# KiCad board Leopold Replacement.kicad_pcb (continued)
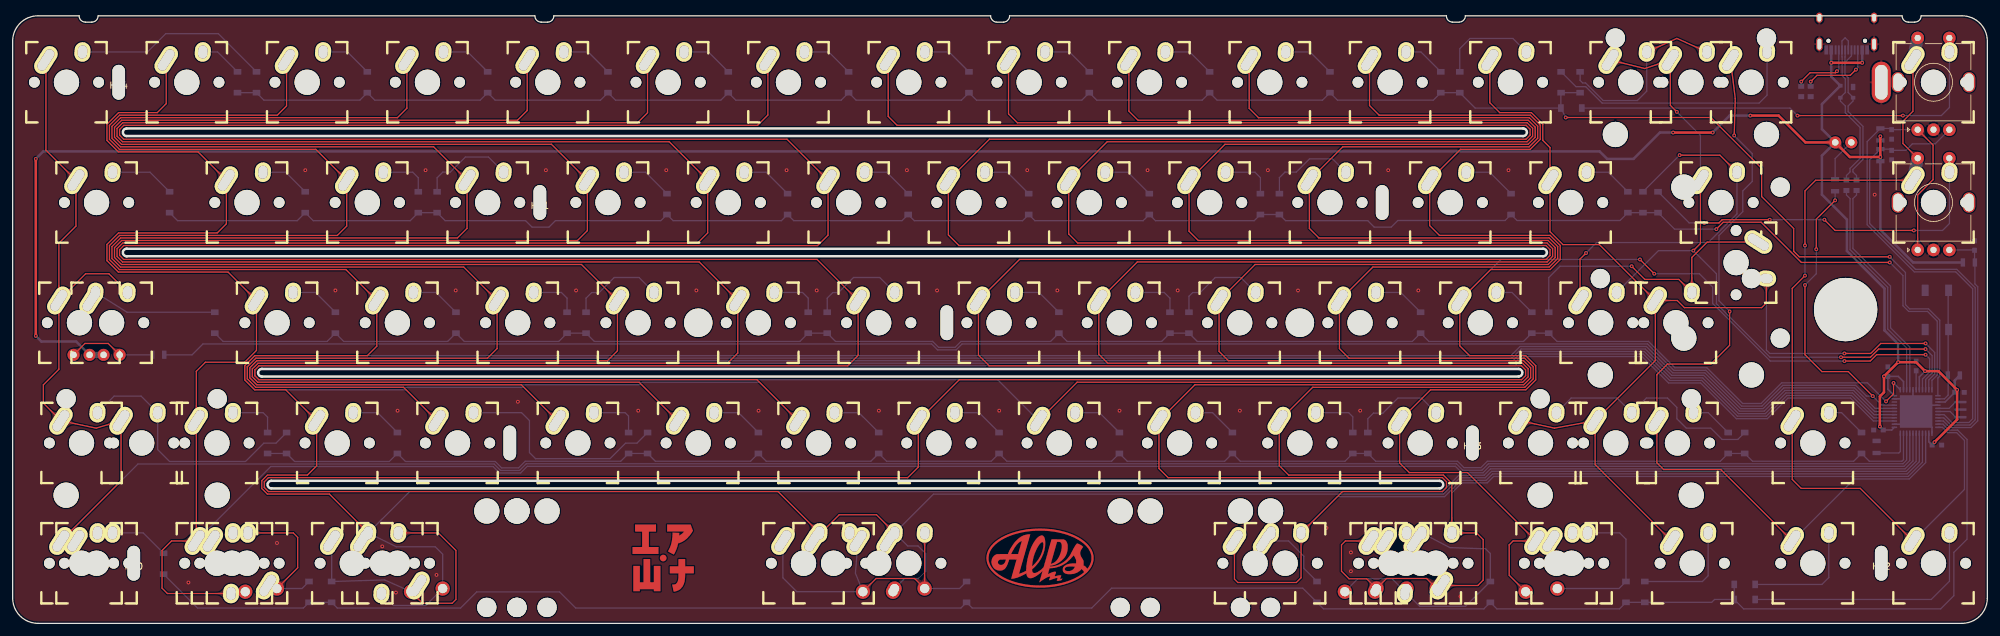
[diagram p0: board, top side]
## Copper pours and planes (outline as drawn; the poured copper is in the pictures) (continued)
Net-(D4-Pad2) on Bottom: 23.01,30.82 23.01,30.92 23.01,31.02 23.02,31.11 23.04,31.2 23.05,31.28 23.07,31.36 23.09,31.43 23.12,31.49 23.15,31.55 23.18,31.61 23.21,31.67 23.24,31.72 23.28,31.77 23.32,31.82 23.67,32.21 23.71,32.27 23.76,32.33 23.81,32.39 23.85,32.45 23.9,32.52 23.94,32.6 23.99,32.68 24.03,32.76 22.91,33.93 21.78,32.76 21.82,32.68 21.87,32.6 21.91,32.52 21.96,32.45 22.01,32.39 22.05,32.33 22.1,32.27 22.14,32.21 22.49,31.82 22.53,31.77 22.57,31.72 22.6,31.67 22.64,31.61 22.67,31.55 22.69,31.49 22.72,31.43 22.74,31.36 22.76,31.28 22.78,31.2 22.79,31.11 22.8,31.02 22.8,30.92 22.81,30.82
Net-(D4-Pad2) on Bottom: 21.07,35 21.15,34.92 21.21,34.84 21.27,34.77 21.33,34.7 21.37,34.63 21.41,34.57 21.44,34.5 21.47,34.44 21.5,34.37 21.52,34.31 21.53,34.25 21.55,34.19 21.56,34.12 21.57,34.06 21.59,33.54 21.6,33.47 21.61,33.39 21.62,33.32 21.63,33.24 21.65,33.16 21.67,33.07 21.7,32.99 21.73,32.9 23.35,32.86 23.32,34.49 23.23,34.52 23.14,34.54 23.05,34.56 22.97,34.58 22.89,34.59 22.82,34.6 22.74,34.61 22.67,34.62 22.15,34.65 22.09,34.65 22.02,34.66 21.96,34.68 21.9,34.69 21.84,34.71 21.77,34.74 21.71,34.77 21.64,34.8 21.58,34.84 21.51,34.89 21.44,34.94 21.37,35 21.29,35.06 21.22,35.14
Net-(D4-Pad2) on Bottom: 15.09,35.14 15.01,35.06 14.94,35 14.87,34.94 14.8,34.89 14.73,34.84 14.66,34.8 14.6,34.77 14.53,34.74 14.47,34.71 14.41,34.69 14.34,34.68 14.28,34.66 14.22,34.65 14.16,34.65 13.64,34.62 13.56,34.61 13.49,34.6 13.41,34.59 13.34,34.58 13.25,34.56 13.17,34.54 13.08,34.52 12.99,34.49 12.96,32.86 14.58,32.9 14.61,32.99 14.64,33.07 14.66,33.16 14.67,33.24 14.69,33.32 14.7,33.39 14.71,33.47 14.71,33.54 14.74,34.06 14.75,34.12 14.76,34.19 14.77,34.25 14.79,34.31 14.81,34.37 14.83,34.44 14.86,34.5 14.9,34.57 14.94,34.63 14.98,34.7 15.03,34.77 15.09,34.84 15.16,34.92 15.23,35
Net-(D5-Pad2) on Bottom: 32.56,90.3 32.49,90.36 32.43,90.42 32.37,90.47 32.31,90.51 32.25,90.55 32.19,90.59 32.13,90.62 32.08,90.65 32.02,90.68 31.97,90.7 31.41,90.88 31.36,90.91 31.31,90.93 31.25,90.96 31.2,90.99 31.15,91.03 31.09,91.07 31.03,91.11 30.98,91.16 30.92,91.22 29.41,90.34 30.58,89.21 30.66,89.25 30.74,89.3 30.81,89.35 30.88,89.41 30.95,89.47 31.02,89.53 31.08,89.6 31.14,89.66 31.2,89.73 31.48,90.05 31.54,90.11 31.59,90.16 31.64,90.21 31.69,90.25 31.75,90.29 31.8,90.32 31.86,90.35 31.91,90.37 31.97,90.38 32.03,90.38 32.09,90.37 32.15,90.35 32.21,90.32 32.28,90.28 32.35,90.22 32.42,90.15
Net-(D6-Pad2) on Bottom: 42.03,71.43 41.92,71.43 41.82,71.43 41.73,71.44 41.65,71.46 41.57,71.47 41.49,71.49 41.42,71.51 41.35,71.54 41.29,71.57 41.23,71.6 41.18,71.63 41.12,71.66 41.07,71.7 41.02,71.74 40.63,72.09 40.58,72.13 40.52,72.18 40.46,72.23 40.39,72.27 40.32,72.32 40.25,72.36 40.17,72.41 40.08,72.45 38.91,71.33 40.08,70.2 40.17,70.24 40.25,70.29 40.32,70.33 40.39,70.38 40.46,70.42 40.52,70.47 40.58,70.52 40.63,70.56 41.02,70.91 41.07,70.95 41.12,70.99 41.18,71.02 41.23,71.05 41.29,71.08 41.35,71.11 41.42,71.14 41.49,71.16 41.57,71.18 41.65,71.2 41.73,71.21 41.82,71.22 41.92,71.22 42.03,71.23
Net-(D7-Pad2) on Bottom: 46.78,52.42 46.68,52.42 46.58,52.42 46.48,52.43 46.4,52.45 46.32,52.46 46.24,52.48 46.17,52.5 46.11,52.53 46.04,52.56 45.99,52.59 45.93,52.62 45.88,52.65 45.83,52.69 45.78,52.73 45.39,53.08 45.33,53.12 45.27,53.17 45.21,53.22 45.15,53.26 45.08,53.31 45,53.35 44.92,53.4 44.84,53.44 43.67,52.32 44.84,51.19 44.92,51.23 45,51.28 45.08,51.32 45.15,51.37 45.21,51.41 45.27,51.46 45.33,51.51 45.39,51.55 45.78,51.9 45.83,51.94 45.88,51.98 45.93,52.01 45.99,52.04 46.04,52.07 46.11,52.1 46.17,52.13 46.24,52.15 46.32,52.17 46.4,52.19 46.48,52.2 46.58,52.21 46.68,52.21 46.78,52.22
Net-(D8-Pad2) on Bottom: 37.28,33.41 37.17,33.41 37.07,33.41 36.98,33.42 36.89,33.44 36.81,33.45 36.74,33.47 36.67,33.49 36.6,33.52 36.54,33.55 36.48,33.58 36.42,33.61 36.37,33.64 36.32,33.68 36.27,33.72 35.88,34.07 35.83,34.11 35.77,34.16 35.71,34.21 35.64,34.25 35.57,34.3 35.5,34.34 35.42,34.39 35.33,34.43 34.16,33.31 35.33,32.18 35.42,32.22 35.5,32.27 35.57,32.31 35.64,32.36 35.71,32.4 35.77,32.45 35.83,32.5 35.88,32.54 36.27,32.89 36.32,32.93 36.37,32.97 36.42,33 36.48,33.03 36.54,33.06 36.6,33.09 36.67,33.12 36.74,33.14 36.81,33.16 36.89,33.18 36.98,33.19 37.07,33.2 37.17,33.2 37.28,33.21
Net-(D9-Pad2) on Bottom: 51.53,90.44 51.43,90.44 51.33,90.44 51.24,90.45 51.15,90.47 51.07,90.48 51,90.5 50.92,90.52 50.86,90.55 50.8,90.58 50.74,90.61 50.68,90.64 50.63,90.67 50.58,90.71 50.53,90.75 50.14,91.1 50.08,91.14 50.03,91.19 49.96,91.24 49.9,91.28 49.83,91.33 49.75,91.37 49.68,91.42 49.59,91.46 48.42,90.34 49.59,89.21 49.68,89.25 49.75,89.3 49.83,89.34 49.9,89.39 49.96,89.43 50.03,89.48 50.08,89.53 50.14,89.57 50.53,89.92 50.58,89.96 50.63,90 50.68,90.03 50.74,90.06 50.8,90.09 50.86,90.12 50.92,90.15 51,90.17 51.07,90.19 51.15,90.21 51.24,90.22 51.33,90.23 51.43,90.23 51.53,90.24
Net-(D10-Pad2) on Bottom: 61.04,71.43 60.93,71.43 60.83,71.43 60.74,71.44 60.66,71.46 60.58,71.47 60.5,71.49 60.43,71.51 60.36,71.54 60.3,71.57 60.24,71.6 60.19,71.63 60.13,71.66 60.08,71.7 60.03,71.74 59.64,72.09 59.59,72.13 59.53,72.18 59.47,72.23 59.4,72.27 59.33,72.32 59.26,72.36 59.18,72.41 59.09,72.45 57.92,71.33 59.09,70.2 59.18,70.24 59.26,70.29 59.33,70.33 59.4,70.38 59.47,70.42 59.53,70.47 59.59,70.52 59.64,70.56 60.03,70.91 60.08,70.95 60.13,70.99 60.19,71.02 60.24,71.05 60.3,71.08 60.36,71.11 60.43,71.14 60.5,71.16 60.58,71.18 60.66,71.2 60.74,71.21 60.83,71.22 60.93,71.22 61.04,71.23
Net-(D11-Pad2) on Bottom: 65.79,52.42 65.69,52.42 65.59,52.42 65.49,52.43 65.41,52.45 65.33,52.46 65.25,52.48 65.18,52.5 65.12,52.53 65.05,52.56 65,52.59 64.94,52.62 64.89,52.65 64.84,52.69 64.79,52.73 64.4,53.08 64.34,53.12 64.28,53.17 64.22,53.22 64.16,53.26 64.09,53.31 64.01,53.35 63.93,53.4 63.85,53.44 62.68,52.32 63.85,51.19 63.93,51.23 64.01,51.28 64.09,51.32 64.16,51.37 64.22,51.41 64.28,51.46 64.34,51.51 64.4,51.55 64.79,51.9 64.84,51.94 64.89,51.98 64.94,52.01 65,52.04 65.05,52.07 65.12,52.1 65.18,52.13 65.25,52.15 65.33,52.17 65.41,52.19 65.49,52.2 65.59,52.21 65.69,52.21 65.79,52.22
Net-(D12-Pad2) on Bottom: 56.29,33.41 56.18,33.41 56.08,33.41 55.99,33.42 55.9,33.44 55.82,33.45 55.75,33.47 55.68,33.49 55.61,33.52 55.55,33.55 55.49,33.58 55.43,33.61 55.38,33.64 55.33,33.68 55.28,33.72 54.89,34.07 54.84,34.11 54.78,34.16 54.72,34.21 54.65,34.25 54.58,34.3 54.51,34.34 54.43,34.39 54.34,34.43 53.17,33.31 54.34,32.18 54.43,32.22 54.51,32.27 54.58,32.31 54.65,32.36 54.72,32.4 54.78,32.45 54.84,32.5 54.89,32.54 55.28,32.89 55.33,32.93 55.38,32.97 55.43,33 55.49,33.03 55.55,33.06 55.61,33.09 55.68,33.12 55.75,33.14 55.82,33.16 55.9,33.18 55.99,33.19 56.08,33.2 56.18,33.2 56.29,33.21
Net-(D13-Pad2) on Bottom: 70.55,90.44 70.44,90.44 70.34,90.44 70.25,90.45 70.16,90.47 70.08,90.48 70.01,90.5 69.93,90.52 69.87,90.55 69.81,90.58 69.75,90.61 69.69,90.64 69.64,90.67 69.59,90.71 69.54,90.75 69.15,91.1 69.09,91.14 69.04,91.19 68.97,91.24 68.91,91.28 68.84,91.33 68.76,91.37 68.69,91.42 68.6,91.46 67.43,90.34 68.6,89.21 68.69,89.25 68.76,89.3 68.84,89.34 68.91,89.39 68.97,89.43 69.04,89.48 69.09,89.53 69.15,89.57 69.54,89.92 69.59,89.96 69.64,90 69.69,90.03 69.75,90.06 69.81,90.09 69.87,90.12 69.93,90.15 70.01,90.17 70.08,90.19 70.16,90.21 70.25,90.22 70.34,90.23 70.44,90.23 70.55,90.24
Net-(D14-Pad2) on Bottom: 75.73,73.02 75.8,72.94 75.87,72.86 75.93,72.79 75.98,72.72 76.02,72.65 76.06,72.59 76.1,72.52 76.13,72.46 76.15,72.39 76.17,72.33 76.19,72.27 76.2,72.21 76.21,72.14 76.22,72.08 76.25,71.56 76.25,71.49 76.26,71.41 76.27,71.34 76.29,71.26 76.3,71.18 76.32,71.09 76.35,71.01 76.38,70.92 78,70.88 77.97,72.51 77.88,72.54 77.79,72.56 77.71,72.58 77.63,72.6 77.55,72.61 77.47,72.62 77.4,72.63 77.33,72.64 76.8,72.67 76.74,72.67 76.68,72.68 76.62,72.7 76.55,72.71 76.49,72.73 76.43,72.76 76.36,72.79 76.3,72.82 76.23,72.86 76.16,72.91 76.09,72.96 76.02,73.02 75.95,73.08 75.87,73.16
Net-(D15-Pad2) on Bottom: 84.8,52.42 84.7,52.42 84.6,52.42 84.5,52.43 84.42,52.45 84.34,52.46 84.26,52.48 84.19,52.5 84.13,52.53 84.06,52.56 84.01,52.59 83.95,52.62 83.9,52.65 83.85,52.69 83.8,52.73 83.41,53.08 83.35,53.12 83.29,53.17 83.23,53.22 83.17,53.26 83.1,53.31 83.02,53.35 82.94,53.4 82.86,53.44 81.69,52.32 82.86,51.19 82.94,51.23 83.02,51.28 83.1,51.32 83.17,51.37 83.23,51.41 83.29,51.46 83.35,51.51 83.41,51.55 83.8,51.9 83.85,51.94 83.9,51.98 83.95,52.01 84.01,52.04 84.06,52.07 84.13,52.1 84.19,52.13 84.26,52.15 84.34,52.17 84.42,52.19 84.5,52.2 84.6,52.21 84.7,52.21 84.8,52.22
Net-(D16-Pad2) on Bottom: 75.3,33.41 75.19,33.41 75.09,33.41 75,33.42 74.91,33.44 74.83,33.45 74.76,33.47 74.69,33.49 74.62,33.52 74.56,33.55 74.5,33.58 74.44,33.61 74.39,33.64 74.34,33.68 74.29,33.72 73.9,34.07 73.85,34.11 73.79,34.16 73.73,34.21 73.66,34.25 73.59,34.3 73.52,34.34 73.44,34.39 73.35,34.43 72.18,33.31 73.35,32.18 73.44,32.22 73.52,32.27 73.59,32.31 73.66,32.36 73.73,32.4 73.79,32.45 73.85,32.5 73.9,32.54 74.29,32.89 74.34,32.93 74.39,32.97 74.44,33 74.5,33.03 74.56,33.06 74.62,33.09 74.69,33.12 74.76,33.14 74.83,33.16 74.91,33.18 75,33.19 75.09,33.2 75.19,33.2 75.3,33.21
Net-(D17-Pad2) on Bottom: 89.56,90.44 89.45,90.44 89.35,90.44 89.26,90.45 89.17,90.47 89.09,90.48 89.02,90.5 88.94,90.52 88.88,90.55 88.82,90.58 88.76,90.61 88.7,90.64 88.65,90.67 88.6,90.71 88.55,90.75 88.16,91.1 88.1,91.14 88.05,91.19 87.98,91.24 87.92,91.28 87.85,91.33 87.77,91.37 87.7,91.42 87.61,91.46 86.44,90.34 87.61,89.21 87.7,89.25 87.77,89.3 87.85,89.34 87.92,89.39 87.98,89.43 88.05,89.48 88.1,89.53 88.16,89.57 88.55,89.92 88.6,89.96 88.65,90 88.7,90.03 88.76,90.06 88.82,90.09 88.88,90.12 88.94,90.15 89.02,90.17 89.09,90.19 89.17,90.21 89.26,90.22 89.35,90.23 89.45,90.23 89.56,90.24
Net-(D18-Pad2) on Bottom: 99.06,71.43 98.95,71.43 98.85,71.43 98.76,71.44 98.68,71.46 98.6,71.47 98.52,71.49 98.45,71.51 98.38,71.54 98.32,71.57 98.26,71.6 98.21,71.63 98.15,71.66 98.1,71.7 98.05,71.74 97.66,72.09 97.61,72.13 97.55,72.18 97.49,72.23 97.42,72.27 97.35,72.32 97.28,72.36 97.2,72.41 97.11,72.45 95.94,71.33 97.11,70.2 97.2,70.24 97.28,70.29 97.35,70.33 97.42,70.38 97.49,70.42 97.55,70.47 97.61,70.52 97.66,70.56 98.05,70.91 98.1,70.95 98.15,70.99 98.21,71.02 98.26,71.05 98.32,71.08 98.38,71.11 98.45,71.14 98.52,71.16 98.6,71.18 98.68,71.2 98.76,71.21 98.85,71.22 98.95,71.22 99.06,71.23
Net-(D19-Pad2) on Bottom: 99.49,54.01 99.56,53.93 99.63,53.85 99.69,53.78 99.74,53.71 99.79,53.64 99.83,53.58 99.86,53.51 99.89,53.45 99.91,53.38 99.93,53.32 99.95,53.26 99.96,53.2 99.97,53.13 99.98,53.07 100.01,52.55 100.02,52.48 100.03,52.4 100.04,52.33 100.05,52.25 100.07,52.17 100.09,52.08 100.11,52 100.14,51.91 101.76,51.87 101.73,53.5 101.64,53.53 101.55,53.55 101.47,53.57 101.39,53.59 101.31,53.6 101.23,53.61 101.16,53.62 101.09,53.63 100.56,53.66 100.5,53.66 100.44,53.67 100.38,53.69 100.32,53.7 100.25,53.72 100.19,53.75 100.13,53.78 100.06,53.81 99.99,53.85 99.93,53.9 99.86,53.95 99.78,54.01 99.71,54.07 99.63,54.15
Net-(D20-Pad2) on Bottom: 94.31,33.41 94.2,33.41 94.1,33.41 94.01,33.42 93.92,33.44 93.84,33.45 93.77,33.47 93.7,33.49 93.63,33.52 93.57,33.55 93.51,33.58 93.45,33.61 93.4,33.64 93.35,33.68 93.3,33.72 92.91,34.07 92.86,34.11 92.8,34.16 92.74,34.21 92.67,34.25 92.6,34.3 92.53,34.34 92.45,34.39 92.36,34.43 91.19,33.31 92.36,32.18 92.45,32.22 92.53,32.27 92.6,32.31 92.67,32.36 92.74,32.4 92.8,32.45 92.86,32.5 92.91,32.54 93.3,32.89 93.35,32.93 93.4,32.97 93.45,33 93.51,33.03 93.57,33.06 93.63,33.09 93.7,33.12 93.77,33.14 93.84,33.16 93.92,33.18 94.01,33.19 94.1,33.2 94.2,33.2 94.31,33.21
Net-(D21-Pad2) on Bottom: 108.56,90.44 108.46,90.44 108.36,90.44 108.27,90.45 108.18,90.47 108.1,90.48 108.03,90.5 107.95,90.52 107.89,90.55 107.83,90.58 107.77,90.61 107.71,90.64 107.66,90.67 107.61,90.71 107.56,90.75 107.17,91.1 107.11,91.14 107.06,91.19 106.99,91.24 106.93,91.28 106.86,91.33 106.78,91.37 106.71,91.42 106.62,91.46 105.45,90.34 106.62,89.21 106.71,89.25 106.78,89.3 106.86,89.34 106.93,89.39 106.99,89.43 107.06,89.48 107.11,89.53 107.17,89.57 107.56,89.92 107.61,89.96 107.66,90 107.71,90.03 107.77,90.06 107.83,90.09 107.89,90.12 107.95,90.15 108.03,90.17 108.1,90.19 108.18,90.21 108.27,90.22 108.36,90.23 108.46,90.23 108.56,90.24
Net-(D22-Pad2) on Bottom: 118.07,71.43 117.96,71.43 117.86,71.43 117.77,71.44 117.69,71.46 117.61,71.47 117.53,71.49 117.46,71.51 117.39,71.54 117.33,71.57 117.27,71.6 117.22,71.63 117.16,71.66 117.11,71.7 117.06,71.74 116.67,72.09 116.62,72.13 116.56,72.18 116.5,72.23 116.43,72.27 116.36,72.32 116.29,72.36 116.21,72.41 116.12,72.45 114.95,71.33 116.12,70.2 116.21,70.24 116.29,70.29 116.36,70.33 116.43,70.38 116.5,70.42 116.56,70.47 116.62,70.52 116.67,70.56 117.06,70.91 117.11,70.95 117.16,70.99 117.22,71.02 117.27,71.05 117.33,71.08 117.39,71.11 117.46,71.14 117.53,71.16 117.61,71.18 117.69,71.2 117.77,71.21 117.86,71.22 117.96,71.22 118.07,71.23
Net-(D23-Pad2) on Bottom: 122.82,52.42 122.72,52.42 122.62,52.42 122.52,52.43 122.44,52.45 122.36,52.46 122.28,52.48 122.21,52.5 122.15,52.53 122.08,52.56 122.03,52.59 121.97,52.62 121.92,52.65 121.87,52.69 121.82,52.73 121.43,53.08 121.37,53.12 121.31,53.17 121.25,53.22 121.19,53.26 121.12,53.31 121.04,53.35 120.96,53.4 120.88,53.44 119.71,52.32 120.88,51.19 120.96,51.23 121.04,51.28 121.12,51.32 121.19,51.37 121.25,51.41 121.31,51.46 121.37,51.51 121.43,51.55 121.82,51.9 121.87,51.94 121.92,51.98 121.97,52.01 122.03,52.04 122.08,52.07 122.15,52.1 122.21,52.13 122.28,52.15 122.36,52.17 122.44,52.19 122.52,52.2 122.62,52.21 122.72,52.21 122.82,52.22
Net-(D24-Pad2) on Bottom: 113.32,33.41 113.21,33.41 113.11,33.41 113.02,33.42 112.93,33.44 112.85,33.45 112.78,33.47 112.71,33.49 112.64,33.52 112.58,33.55 112.52,33.58 112.46,33.61 112.41,33.64 112.36,33.68 112.31,33.72 111.92,34.07 111.87,34.11 111.81,34.16 111.75,34.21 111.68,34.25 111.61,34.3 111.54,34.34 111.46,34.39 111.37,34.43 110.2,33.31 111.37,32.18 111.46,32.22 111.54,32.27 111.61,32.31 111.68,32.36 111.75,32.4 111.81,32.45 111.87,32.5 111.92,32.54 112.31,32.89 112.36,32.93 112.41,32.97 112.46,33 112.52,33.03 112.58,33.06 112.64,33.09 112.71,33.12 112.78,33.14 112.85,33.16 112.93,33.18 113.02,33.19 113.11,33.2 113.21,33.2 113.32,33.21
Net-(D25-Pad2) on Bottom: 127.57,90.44 127.47,90.44 127.37,90.44 127.28,90.45 127.19,90.47 127.11,90.48 127.04,90.5 126.96,90.52 126.9,90.55 126.84,90.58 126.78,90.61 126.72,90.64 126.67,90.67 126.62,90.71 126.57,90.75 126.18,91.1 126.12,91.14 126.07,91.19 126,91.24 125.94,91.28 125.87,91.33 125.79,91.37 125.72,91.42 125.63,91.46 124.46,90.34 125.63,89.21 125.72,89.25 125.79,89.3 125.87,89.34 125.94,89.39 126,89.43 126.07,89.48 126.12,89.53 126.18,89.57 126.57,89.92 126.62,89.96 126.67,90 126.72,90.03 126.78,90.06 126.84,90.09 126.9,90.12 126.96,90.15 127.04,90.17 127.11,90.19 127.19,90.21 127.28,90.22 127.37,90.23 127.47,90.23 127.57,90.24
Net-(D26-Pad2) on Bottom: 137.08,71.43 136.97,71.43 136.87,71.43 136.78,71.44 136.7,71.46 136.62,71.47 136.54,71.49 136.47,71.51 136.4,71.54 136.34,71.57 136.28,71.6 136.23,71.63 136.17,71.66 136.12,71.7 136.07,71.74 135.68,72.09 135.63,72.13 135.57,72.18 135.51,72.23 135.44,72.27 135.37,72.32 135.3,72.36 135.22,72.41 135.13,72.45 133.97,71.33 135.13,70.2 135.22,70.24 135.3,70.29 135.37,70.33 135.44,70.38 135.51,70.42 135.57,70.47 135.63,70.52 135.68,70.56 136.07,70.91 136.12,70.95 136.17,70.99 136.23,71.02 136.28,71.05 136.34,71.08 136.4,71.11 136.47,71.14 136.54,71.16 136.62,71.18 136.7,71.2 136.78,71.21 136.87,71.22 136.97,71.22 137.08,71.23
Net-(D27-Pad2) on Bottom: 137.51,54.01 137.58,53.93 137.65,53.85 137.71,53.78 137.76,53.71 137.81,53.64 137.85,53.58 137.88,53.51 137.91,53.45 137.93,53.38 137.95,53.32 137.97,53.26 137.98,53.2 137.99,53.13 138,53.07 138.03,52.55 138.04,52.48 138.05,52.4 138.06,52.33 138.07,52.25 138.09,52.17 138.11,52.08 138.13,52 138.16,51.91 139.78,51.87 139.75,53.5 139.66,53.53 139.57,53.55 139.49,53.57 139.41,53.59 139.33,53.6 139.25,53.61 139.18,53.62 139.11,53.63 138.58,53.66 138.52,53.66 138.46,53.67 138.4,53.69 138.34,53.7 138.27,53.72 138.21,53.75 138.15,53.78 138.08,53.81 138.01,53.85 137.95,53.9 137.88,53.95 137.8,54.01 137.73,54.07 137.65,54.15
Net-(D28-Pad2) on Bottom: 132.33,33.41 132.22,33.41 132.12,33.41 132.03,33.42 131.94,33.44 131.86,33.45 131.79,33.47 131.72,33.49 131.65,33.52 131.59,33.55 131.53,33.58 131.47,33.61 131.42,33.64 131.37,33.68 131.32,33.72 130.93,34.07 130.88,34.11 130.82,34.16 130.76,34.21 130.69,34.25 130.62,34.3 130.55,34.34 130.47,34.39 130.38,34.43 129.21,33.31 130.38,32.18 130.47,32.22 130.55,32.27 130.62,32.31 130.69,32.36 130.76,32.4 130.82,32.45 130.88,32.5 130.93,32.54 131.32,32.89 131.37,32.93 131.42,32.97 131.47,33 131.53,33.03 131.59,33.06 131.65,33.09 131.72,33.12 131.79,33.14 131.86,33.16 131.94,33.18 132.03,33.19 132.12,33.2 132.22,33.2 132.33,33.21
Net-(D29-Pad2) on Bottom: 146.59,90.44 146.48,90.44 146.38,90.44 146.29,90.45 146.2,90.47 146.12,90.48 146.05,90.5 145.97,90.52 145.91,90.55 145.85,90.58 145.79,90.61 145.73,90.64 145.68,90.67 145.63,90.71 145.58,90.75 145.19,91.1 145.13,91.14 145.08,91.19 145.01,91.24 144.95,91.28 144.88,91.33 144.8,91.37 144.73,91.42 144.64,91.46 143.47,90.34 144.64,89.21 144.73,89.25 144.8,89.3 144.88,89.34 144.95,89.39 145.01,89.43 145.08,89.48 145.13,89.53 145.19,89.57 145.58,89.92 145.63,89.96 145.68,90 145.73,90.03 145.79,90.06 145.85,90.09 145.91,90.12 145.97,90.15 146.05,90.17 146.12,90.19 146.2,90.21 146.29,90.22 146.38,90.23 146.48,90.23 146.59,90.24
Net-(D30-Pad2) on Bottom: 156.09,71.43 155.98,71.43 155.88,71.43 155.79,71.44 155.71,71.46 155.63,71.47 155.55,71.49 155.48,71.51 155.41,71.54 155.35,71.57 155.29,71.6 155.24,71.63 155.18,71.66 155.13,71.7 155.08,71.74 154.69,72.09 154.64,72.13 154.58,72.18 154.52,72.23 154.45,72.27 154.38,72.32 154.31,72.36 154.23,72.41 154.14,72.45 152.97,71.33 154.14,70.2 154.23,70.24 154.31,70.29 154.38,70.33 154.45,70.38 154.52,70.42 154.58,70.47 154.64,70.52 154.69,70.56 155.08,70.91 155.13,70.95 155.18,70.99 155.24,71.02 155.29,71.05 155.35,71.08 155.41,71.11 155.48,71.14 155.55,71.16 155.63,71.18 155.71,71.2 155.79,71.21 155.88,71.22 155.98,71.22 156.09,71.23
Net-(D31-Pad2) on Bottom: 160.84,52.42 160.74,52.42 160.64,52.42 160.54,52.43 160.46,52.45 160.38,52.46 160.3,52.48 160.23,52.5 160.17,52.53 160.1,52.56 160.05,52.59 159.99,52.62 159.94,52.65 159.89,52.69 159.84,52.73 159.45,53.08 159.39,53.12 159.33,53.17 159.27,53.22 159.21,53.26 159.14,53.31 159.06,53.35 158.98,53.4 158.9,53.44 157.73,52.32 158.9,51.19 158.98,51.23 159.06,51.28 159.14,51.32 159.21,51.37 159.27,51.41 159.33,51.46 159.39,51.51 159.45,51.55 159.84,51.9 159.89,51.94 159.94,51.98 159.99,52.01 160.05,52.04 160.1,52.07 160.17,52.1 160.23,52.13 160.3,52.15 160.38,52.17 160.46,52.19 160.54,52.2 160.64,52.21 160.74,52.21 160.84,52.22
Net-(D32-Pad2) on Bottom: 151.34,33.41 151.23,33.41 151.13,33.41 151.04,33.42 150.95,33.44 150.87,33.45 150.8,33.47 150.73,33.49 150.66,33.52 150.6,33.55 150.54,33.58 150.48,33.61 150.43,33.64 150.38,33.68 150.33,33.72 149.94,34.07 149.89,34.11 149.83,34.16 149.77,34.21 149.7,34.25 149.63,34.3 149.56,34.34 149.48,34.39 149.39,34.43 148.22,33.31 149.39,32.18 149.48,32.22 149.56,32.27 149.63,32.31 149.7,32.36 149.77,32.4 149.83,32.45 149.89,32.5 149.94,32.54 150.33,32.89 150.38,32.93 150.43,32.97 150.48,33 150.54,33.03 150.6,33.06 150.66,33.09 150.73,33.12 150.8,33.14 150.87,33.16 150.95,33.18 151.04,33.19 151.13,33.2 151.23,33.2 151.34,33.21
Net-(D33-Pad2) on Bottom: 165.59,90.44 165.49,90.44 165.39,90.44 165.3,90.45 165.21,90.47 165.13,90.48 165.06,90.5 164.98,90.52 164.92,90.55 164.86,90.58 164.8,90.61 164.74,90.64 164.69,90.67 164.64,90.71 164.59,90.75 164.2,91.1 164.14,91.14 164.09,91.19 164.02,91.24 163.96,91.28 163.89,91.33 163.81,91.37 163.74,91.42 163.65,91.46 162.48,90.34 163.65,89.21 163.74,89.25 163.81,89.3 163.89,89.34 163.96,89.39 164.02,89.43 164.09,89.48 164.14,89.53 164.2,89.57 164.59,89.92 164.64,89.96 164.69,90 164.74,90.03 164.8,90.06 164.86,90.09 164.92,90.12 164.98,90.15 165.06,90.17 165.13,90.19 165.21,90.21 165.3,90.22 165.39,90.23 165.49,90.23 165.59,90.24
Net-(D34-Pad2) on Bottom: 175.1,71.43 174.99,71.43 174.89,71.43 174.8,71.44 174.72,71.46 174.64,71.47 174.56,71.49 174.49,71.51 174.42,71.54 174.36,71.57 174.3,71.6 174.25,71.63 174.19,71.66 174.14,71.7 174.09,71.74 173.7,72.09 173.65,72.13 173.59,72.18 173.53,72.23 173.46,72.27 173.39,72.32 173.32,72.36 173.24,72.41 173.15,72.45 171.99,71.33 173.15,70.2 173.24,70.24 173.32,70.29 173.39,70.33 173.46,70.38 173.53,70.42 173.59,70.47 173.65,70.52 173.7,70.56 174.09,70.91 174.14,70.95 174.19,70.99 174.25,71.02 174.3,71.05 174.36,71.08 174.42,71.11 174.49,71.14 174.56,71.16 174.64,71.18 174.72,71.2 174.8,71.21 174.89,71.22 174.99,71.22 175.1,71.23
Net-(D35-Pad2) on Bottom: 179.85,52.42 179.75,52.42 179.65,52.42 179.55,52.43 179.47,52.45 179.39,52.46 179.31,52.48 179.24,52.5 179.18,52.53 179.11,52.56 179.06,52.59 179,52.62 178.95,52.65 178.9,52.69 178.85,52.73 178.46,53.08 178.4,53.12 178.34,53.17 178.28,53.22 178.22,53.26 178.15,53.31 178.07,53.35 177.99,53.4 177.91,53.44 176.74,52.32 177.91,51.19 177.99,51.23 178.07,51.28 178.15,51.32 178.22,51.37 178.28,51.41 178.34,51.46 178.4,51.51 178.46,51.55 178.85,51.9 178.9,51.94 178.95,51.98 179,52.01 179.06,52.04 179.11,52.07 179.18,52.1 179.24,52.13 179.31,52.15 179.39,52.17 179.47,52.19 179.55,52.2 179.65,52.21 179.75,52.21 179.85,52.22
Net-(D36-Pad2) on Bottom: 170.35,33.41 170.24,33.41 170.14,33.41 170.05,33.42 169.96,33.44 169.88,33.45 169.81,33.47 169.74,33.49 169.67,33.52 169.61,33.55 169.55,33.58 169.49,33.61 169.44,33.64 169.39,33.68 169.34,33.72 168.95,34.07 168.9,34.11 168.84,34.16 168.78,34.21 168.71,34.25 168.64,34.3 168.57,34.34 168.49,34.39 168.4,34.43 167.23,33.31 168.4,32.18 168.49,32.22 168.57,32.27 168.64,32.31 168.71,32.36 168.78,32.4 168.84,32.45 168.9,32.5 168.95,32.54 169.34,32.89 169.39,32.93 169.44,32.97 169.49,33 169.55,33.03 169.61,33.06 169.67,33.09 169.74,33.12 169.81,33.14 169.88,33.16 169.96,33.18 170.05,33.19 170.14,33.2 170.24,33.2 170.35,33.21
Net-(D37-Pad2) on Bottom: 184.6,90.44 184.5,90.44 184.4,90.44 184.31,90.45 184.22,90.47 184.14,90.48 184.07,90.5 183.99,90.52 183.93,90.55 183.87,90.58 183.81,90.61 183.75,90.64 183.7,90.67 183.65,90.71 183.6,90.75 183.21,91.1 183.15,91.14 183.1,91.19 183.03,91.24 182.97,91.28 182.9,91.33 182.82,91.37 182.75,91.42 182.66,91.46 181.49,90.34 182.66,89.21 182.75,89.25 182.82,89.3 182.9,89.34 182.97,89.39 183.03,89.43 183.1,89.48 183.15,89.53 183.21,89.57 183.6,89.92 183.65,89.96 183.7,90 183.75,90.03 183.81,90.06 183.87,90.09 183.93,90.12 183.99,90.15 184.07,90.17 184.14,90.19 184.22,90.21 184.31,90.22 184.4,90.23 184.5,90.23 184.6,90.24
Net-(D38-Pad2) on Bottom: 194.11,71.43 194,71.43 193.9,71.43 193.81,71.44 193.73,71.46 193.65,71.47 193.57,71.49 193.5,71.51 193.43,71.54 193.37,71.57 193.31,71.6 193.26,71.63 193.2,71.66 193.15,71.7 193.1,71.74 192.71,72.09 192.66,72.13 192.6,72.18 192.54,72.23 192.47,72.27 192.4,72.32 192.33,72.36 192.25,72.41 192.16,72.45 191,71.33 192.16,70.2 192.25,70.24 192.33,70.29 192.4,70.33 192.47,70.38 192.54,70.42 192.6,70.47 192.66,70.52 192.71,70.56 193.1,70.91 193.15,70.95 193.2,70.99 193.26,71.02 193.31,71.05 193.37,71.08 193.43,71.11 193.5,71.14 193.57,71.16 193.65,71.18 193.73,71.2 193.81,71.21 193.9,71.22 194,71.22 194.11,71.23
Net-(D39-Pad2) on Bottom: 194.54,54.01 194.61,53.93 194.68,53.85 194.74,53.78 194.79,53.71 194.84,53.64 194.88,53.58 194.91,53.51 194.94,53.45 194.96,53.38 194.98,53.32 195,53.26 195.01,53.2 195.02,53.13 195.03,53.07 195.06,52.55 195.07,52.48 195.08,52.4 195.09,52.33 195.1,52.25 195.12,52.17 195.14,52.08 195.16,52 195.19,51.91 196.81,51.87 196.78,53.5 196.69,53.53 196.6,53.55 196.52,53.57 196.44,53.59 196.36,53.6 196.28,53.61 196.21,53.62 196.14,53.63 195.61,53.66 195.55,53.66 195.49,53.67 195.43,53.69 195.37,53.7 195.3,53.72 195.24,53.75 195.18,53.78 195.11,53.81 195.04,53.85 194.98,53.9 194.91,53.95 194.83,54.01 194.76,54.07 194.68,54.15
Net-(D40-Pad2) on Bottom: 189.36,33.41 189.25,33.41 189.15,33.41 189.06,33.42 188.97,33.44 188.89,33.45 188.82,33.47 188.75,33.49 188.68,33.52 188.62,33.55 188.56,33.58 188.5,33.61 188.45,33.64 188.4,33.68 188.35,33.72 187.96,34.07 187.91,34.11 187.85,34.16 187.79,34.21 187.72,34.25 187.65,34.3 187.58,34.34 187.5,34.39 187.41,34.43 186.24,33.31 187.41,32.18 187.5,32.22 187.58,32.27 187.65,32.31 187.72,32.36 187.79,32.4 187.85,32.45 187.91,32.5 187.96,32.54 188.35,32.89 188.4,32.93 188.45,32.97 188.5,33 188.56,33.03 188.62,33.06 188.68,33.09 188.75,33.12 188.82,33.14 188.89,33.16 188.97,33.18 189.06,33.19 189.15,33.2 189.25,33.2 189.36,33.21
Net-(D41-Pad2) on Bottom: 203.62,90.44 203.51,90.44 203.41,90.44 203.32,90.45 203.23,90.47 203.15,90.48 203.08,90.5 203,90.52 202.94,90.55 202.88,90.58 202.82,90.61 202.76,90.64 202.71,90.67 202.66,90.71 202.61,90.75 202.22,91.1 202.16,91.14 202.11,91.19 202.04,91.24 201.98,91.28 201.91,91.33 201.83,91.37 201.76,91.42 201.67,91.46 200.5,90.34 201.67,89.21 201.76,89.25 201.83,89.3 201.91,89.34 201.98,89.39 202.04,89.43 202.11,89.48 202.16,89.53 202.22,89.57 202.61,89.92 202.66,89.96 202.71,90 202.76,90.03 202.82,90.06 202.88,90.09 202.94,90.12 203,90.15 203.08,90.17 203.15,90.19 203.23,90.21 203.32,90.22 203.41,90.23 203.51,90.23 203.62,90.24